# Altium PCB CSUEAF4.PcbDoc (part 1 of 2)
Units mm, origin at the board's own origin, x right, y up, seen from the top; angles counter-clockwise.
Board outline 100.25 x 100.25 mm, 2 copper layers (Top Layer, Bottom Layer); 84 components, 107 nets, 440 pads, 218 vias.
Unrouted connection lines stored in the file: 65.
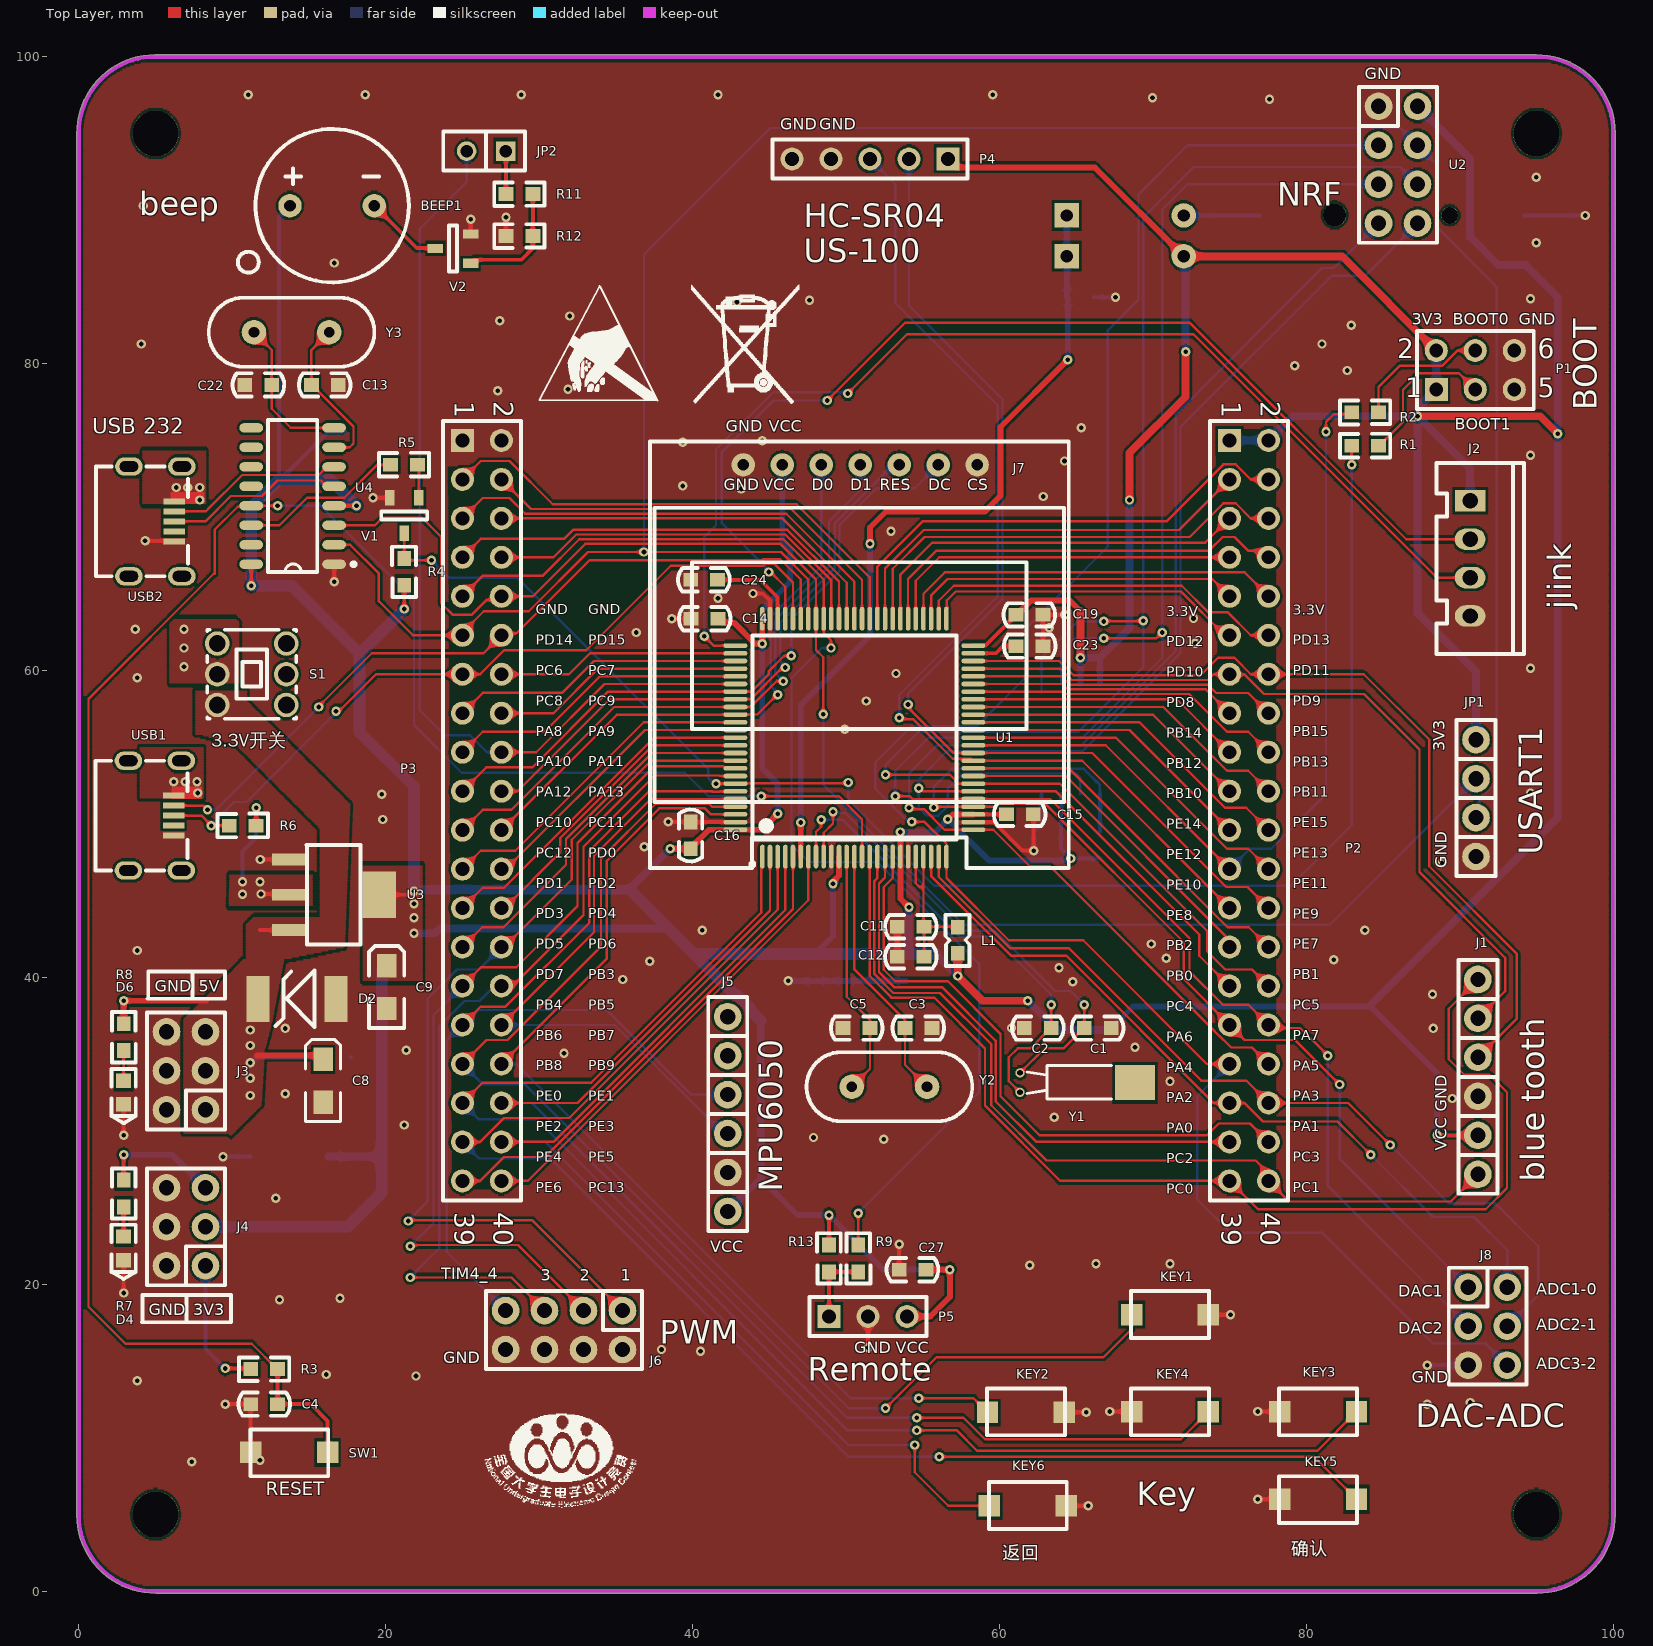
[diagram p0: Top Layer view]
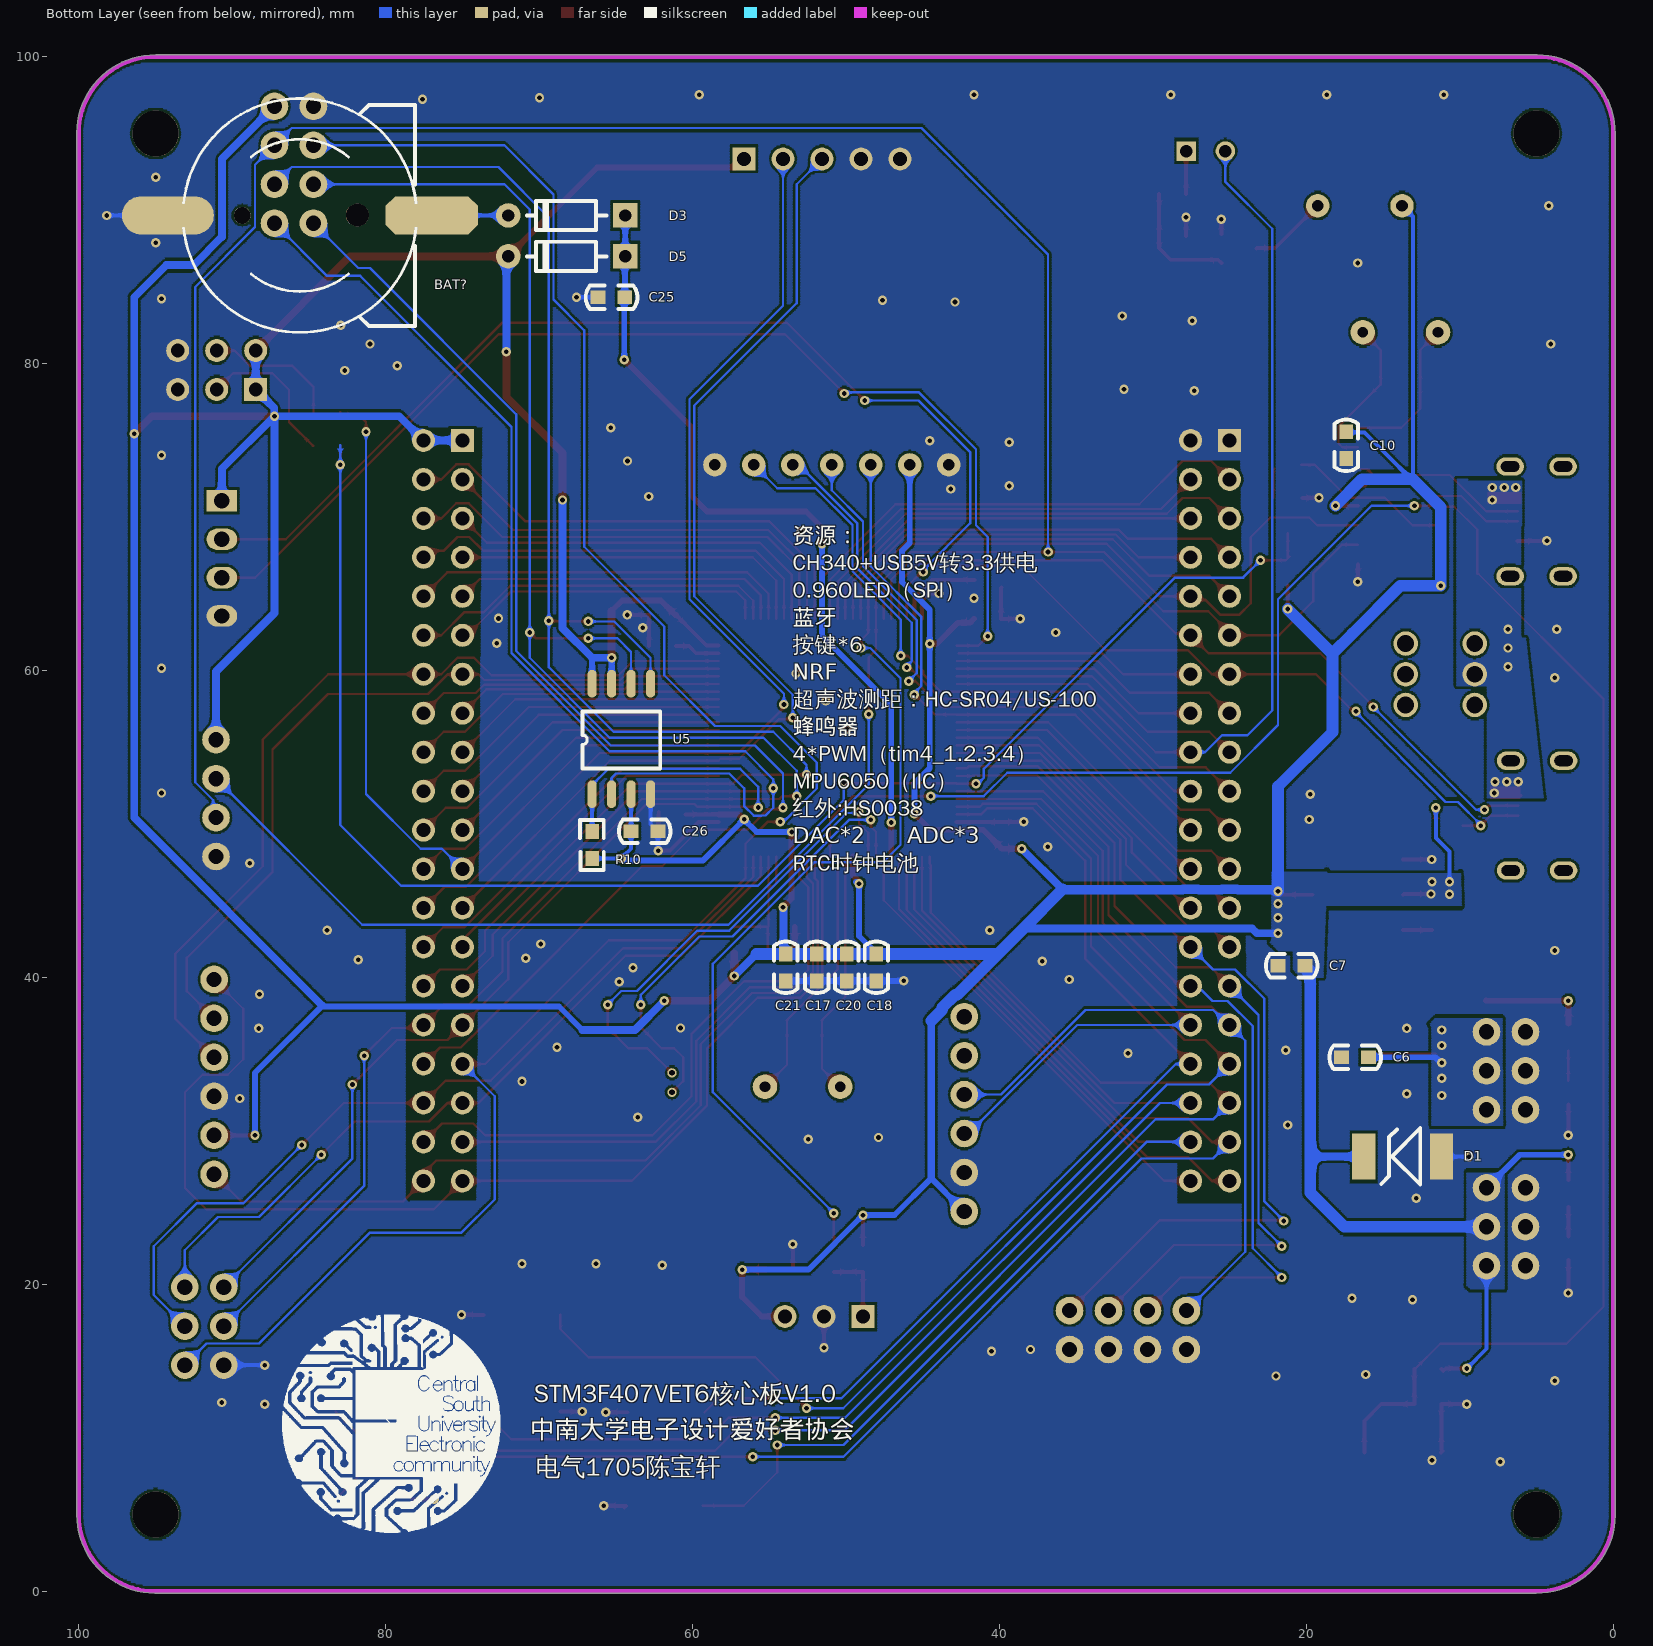
[diagram p1: Bottom Layer view, seen from below]
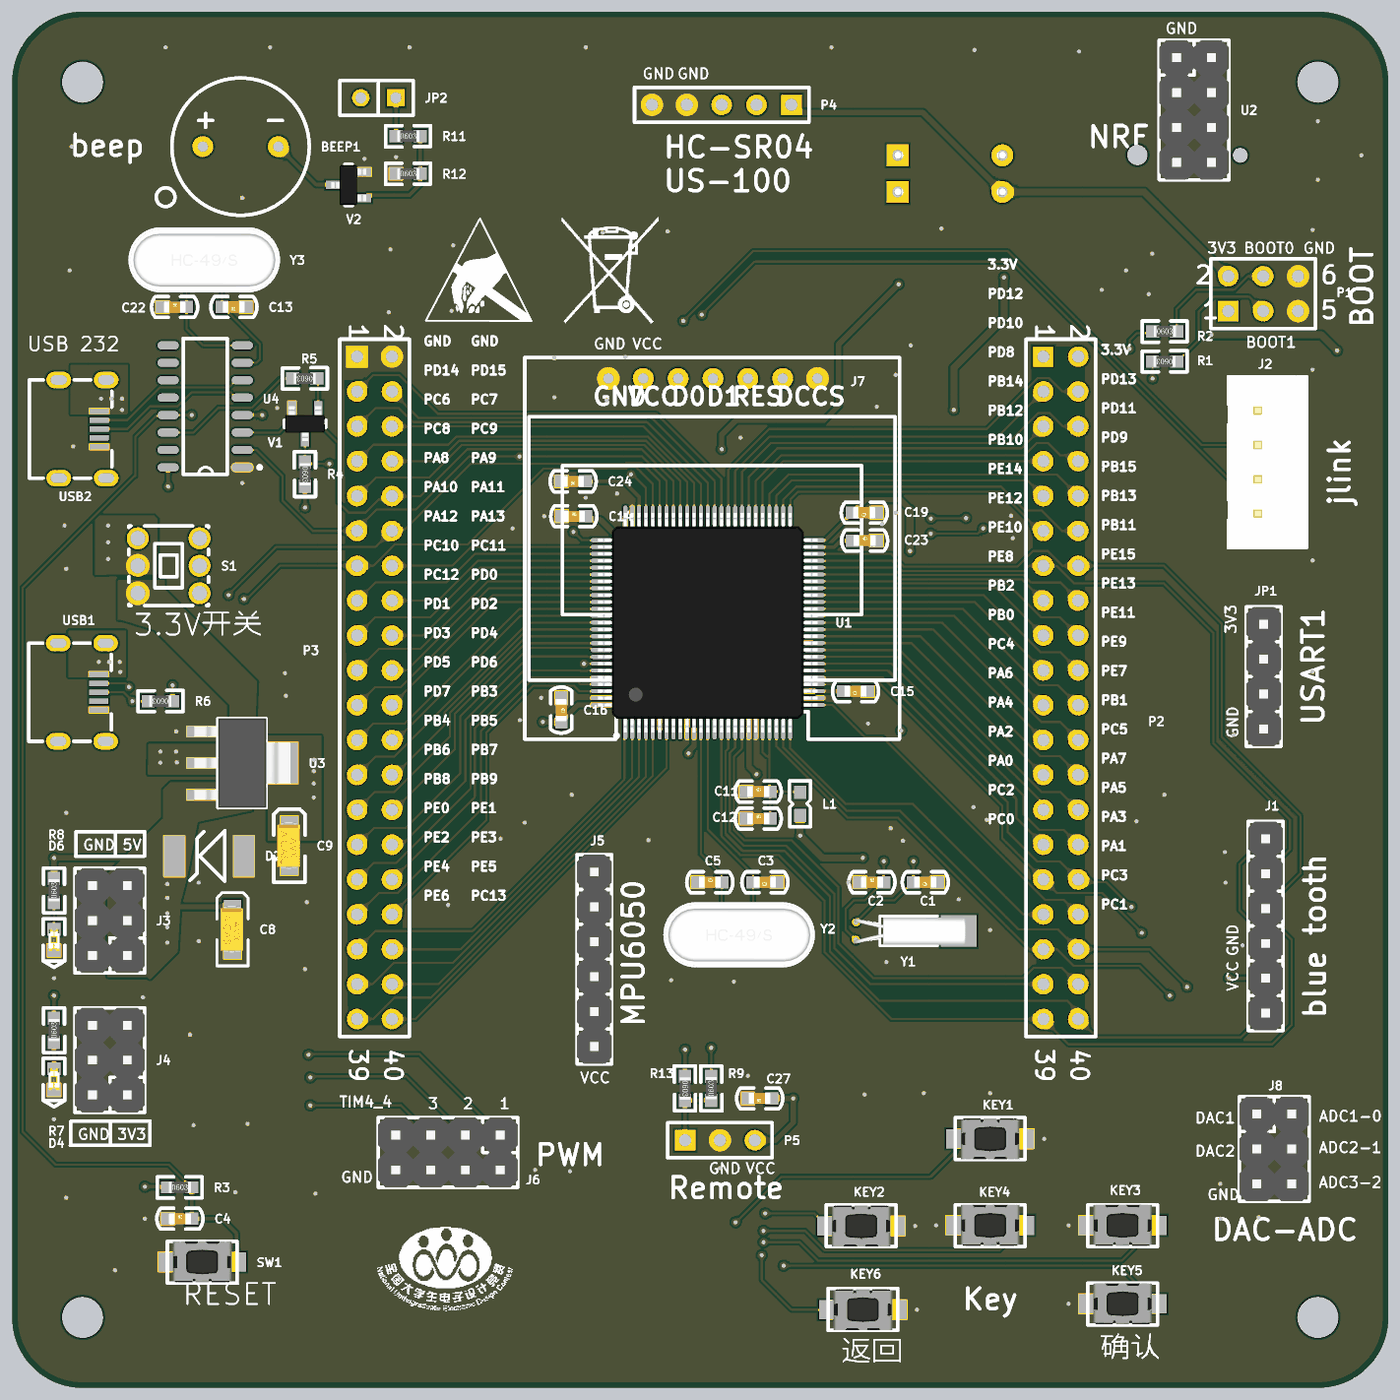
[diagram p3: 3D render of the assembled board from above, using the file's embedded part models]
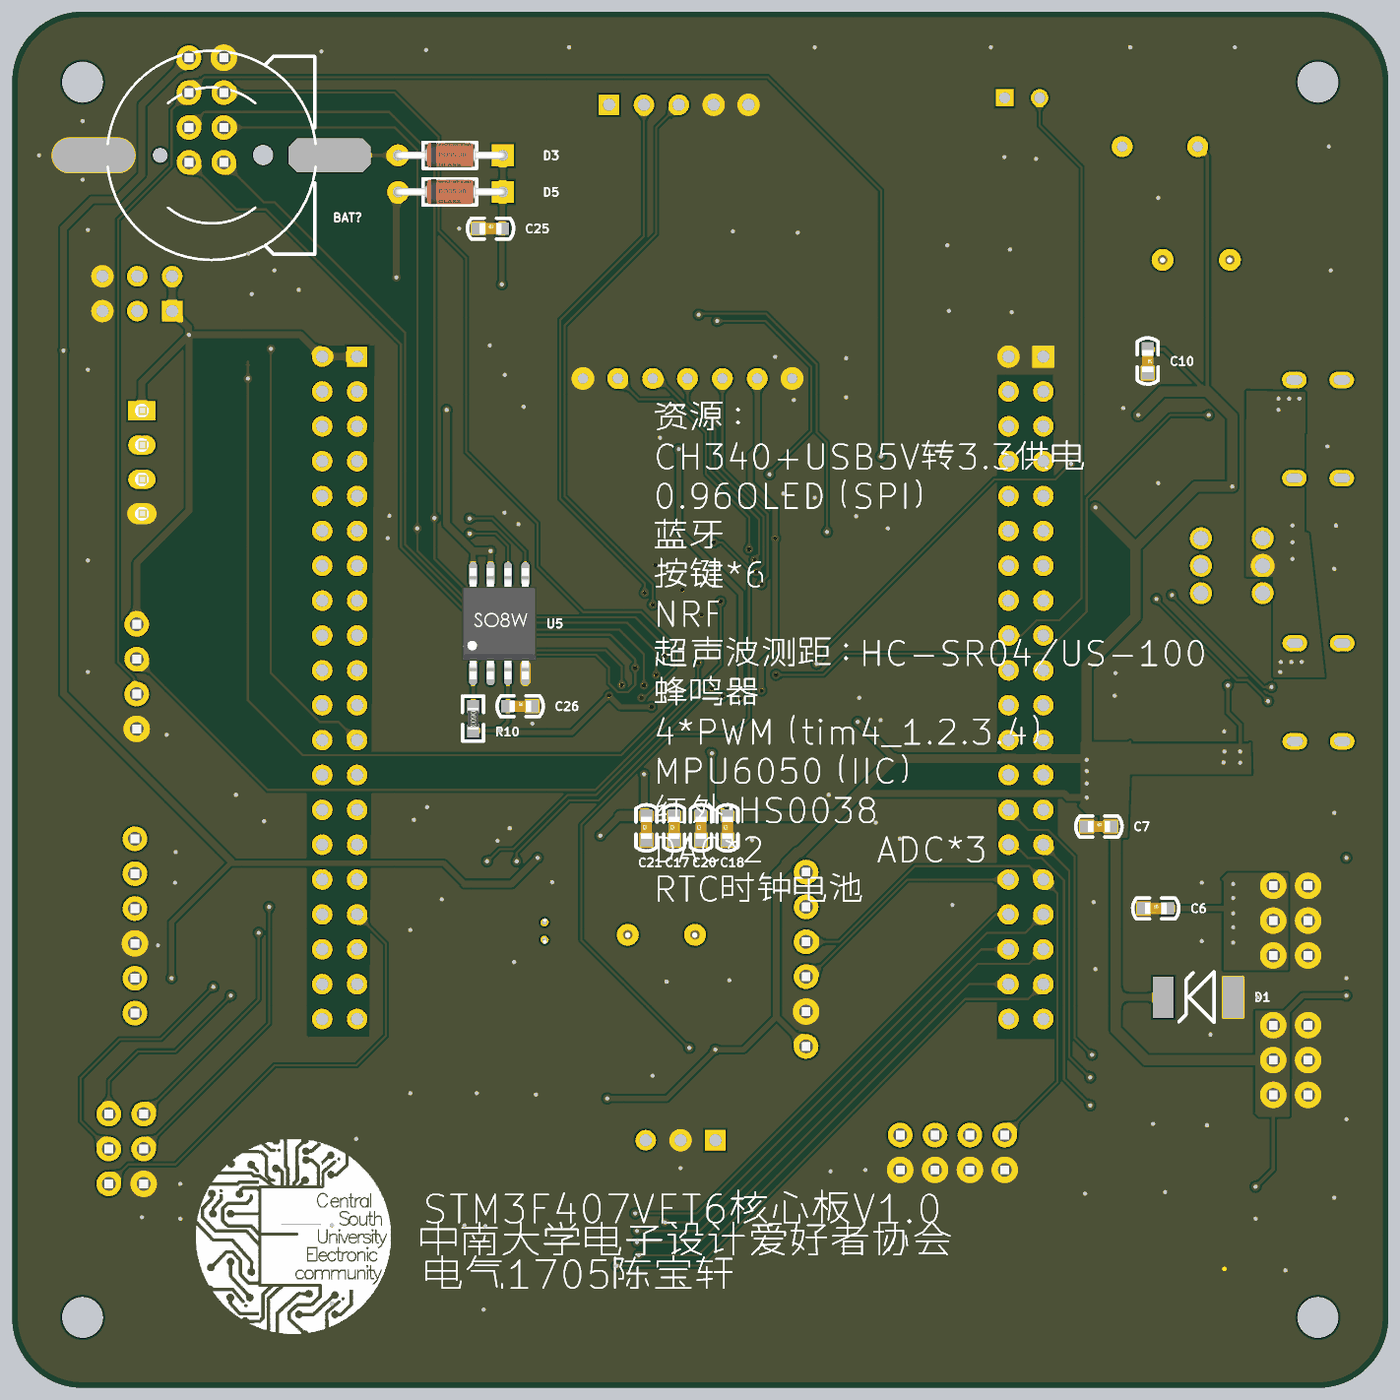
[diagram p4: 3D render of the assembled board from below, using the file's embedded part models]

## Layer stack, top to bottom
Top Solder: solder mask 0.0102, Solder Resist, Dk 3.5
Top Layer: signal copper 0.0356
Dielectric 1: dielectric 0.32, FR-4, Dk 4.8
Bottom Layer: signal copper 0.0356
Bottom Solder: solder mask 0.0102, Solder Resist, Dk 3.5

## Board outline
-0.127,4.952 cw(c0,4.953) -0.125,4.976 cw(c0,5) -0.127,5 -0.127,94.996 cw(c4.978,95.022) 4.952,100.127 cw(c4.953,100) 4.977,100.125 cw(c5,100) 5,100.127 94.996,100.127 cw(c95.022,95.022) 100.127,95.048 cw(c100,95.047) 100.127,95.047 cw(c100,95.047) 100.125,95.024 cw(c100,95) 100.127,95 100.127,5.004 ccw(c95.022,4.978) 100.127,5.005 100.127,5.004 cw(c95.022,4.978) 100.127,4.978 cw(c95.022,4.978) 95.048,-0.127 cw(c95.047,0) 95.024,-0.125 cw(c95,0) 95,-0.127 5,-0.127 5.005,-0.127 ccw(c5.004,0) 5.006,-0.127 5.005,-0.127 cw(c4.978,4.978)

## Design rules (kind name [scope] priority, off if disabled: settings)
Clearance ALL [All] p1: gap=0.152 ignorepadtopadclearanceinfootprint=FALSE
Clearance VIA-POLY [isvia vs inpolygon] p2: gap=0.152 ignorepadtopadclearanceinfootprint=FALSE
Clearance POLY [inpolygon] p3: gap=0.254 ignorepadtopadclearanceinfootprint=FALSE
PolygonConnect [InNetClass('POW')] p1: connectstyle=Direct reliefconductorwidth=0.457 reliefentries=4 polygonreliefangle="90 Angle" airgapwidth=0.254
RoutingVias [All] p1: holewidth=0.305 width=0.61 viastyle="Through Hole" minholewidth=0.305 minwidth=0.61 maxholewidth=0.305 maxwidth=0.61
SilkToSilkClearance [All] p1: silktosilkclearance=0.051
SilkToSolderMaskClearance [IsPad] p1: minsilkscreentomaskgap=0.051 clearancetoexposedcopper=TRUE
SolderMaskExpansion [All] p1: expansion=0.064
Width POW [InNetClass('POW')] p1: maxlimit=1.524 minlimit=0.381 preferedwidth=0.381
Width [All] p2: maxlimit=0.152 minlimit=0.152 preferedwidth=0.152
28 further rules are at their usual default settings.

## Classes and differential pairs
net class VCC: 3V3 5V VBAT VUSB
net class POW: 3V3 5V GND VBAT VUSB

## Components (designator, comment, footprint, x,y, rotation, side; value= is the part's Value field where it differs from the comment)
BAT? "BATT" BATM 85.598,89.662 r90 bottom
BEEP1 "蜂鸣器" 蜂鸣器0905 16.51,90.297 r0 top
C1 "15pF" C0603 67.285,36.703 r180 top value=22pF
C2 "15pF" C0603 61.62,36.703 r0 top value=22pF
C3 "22pF" C0603 55.601,36.703 r180 top
C4 "104" C0603 11.201,12.192 r0 top value=22pF
C5 "22pF" C0603 49.809,36.703 r0 top
C6 "电容104" C0603 17.702,34.798 r180 bottom value=22pF
C7 "电容104" C0603 21.844,40.767 r180 bottom value=22pF
C8 "电解电容106" 3216-ce 15.924,34.671 r90 top value=100pF
C9 "钽电容106" 3216-ce 20.066,40.767 r90 top value=100pF
C10 "104" C0603 17.399,75.565 r270 bottom value=22pF
C11 "106" C0603 53.34,43.307 r0 top value=22pF
C12 "106" C0603 53.34,41.345 r0 top value=22pF
C13 "22pF" C0603 16.912,78.613 r180 top
C14 "104" C0603 39.903,63.373 r0 top value=22pF
C15 "104" C0603 62.205,50.626 r180 top value=22pF
C16 "104" C0603 39.872,50.14 r270 top value=22pF
C17 "电容" C0603 51.905,39.776 r90 bottom value=22pF
C18 "104" C0603 48.017,39.776 r90 bottom value=22pF
C19 "104" C0603 62.84,63.627 r180 top value=22pF
C20 "104" C0603 49.953,39.776 r90 bottom value=22pF
C21 "104" C0603 53.919,39.776 r90 bottom value=22pF
C22 "22pF" C0603 10.816,78.613 r0 top
C23 "225" C0603 61.087,61.595 r0 top value=22pF
C24 "225" C0603 41.631,65.913 r180 top value=22pF
C25 "104" C0603 66.167,84.328 r180 bottom value=22pF
C26 "104" C0603 64.008,49.53 r180 bottom value=22pF
C27 "104" C0603 55.22,20.955 r180 top value=22pF
D1 "SMBJ3.3A" SMBJ 13.589,28.321 r0 bottom
D2 "SMBJ5.0A" SMBJ 14.351,38.608 r180 top
D3 "1N4148" DO-35 68.199,89.662 r180 bottom
D4 "LED" "LED 0603G" 2.921,22.344 r90 top
D5 "1N4148" DO-35 68.199,86.995 r180 bottom
D6 "LED" "LED 0603G" 2.921,32.504 r90 top
J1 "SIP-6" 2.54排针1X6 91.186,34.79 r90 top
J2 "SIP-4" 2.54XH接插件4P 90.678,71.057 r270 top
J3 "PIN-6" 2.54排针2X3 8.255,31.369 r90 top
J4 "PIN-6" 2.54排针2X3 8.255,21.209 r90 top
J5 "MPU6050" 2.54排针1X6 42.291,29.825 r270 top
J6 "TIM4_1234" 2.54排针2X4#1 35.433,18.288 r180 top
J7 "0.96OLED" "OLED 0.96-SPI _无定位孔" 43.307,73.406 r0 top
J8 "DAC_ADC" 2.54排针2X3 90.551,19.812 r270 top
JP1 "SIP-4" 2.54排针1X4 91.059,47.879 r270 top
JP2 "JX2" SIP2 27.813,93.853 r180 top
KEY1 "SW" 按键微动开关2 71.12,18.034 r0 top
KEY2 "SW" 按键微动开关2 61.722,11.684 r0 top
KEY3 "SW" 按键微动开关2 80.772,11.684 r180 top
KEY4 "SW" 按键微动开关2 71.12,11.684 r180 top
KEY5 "SW" 按键微动开关2 80.772,5.969 r180 top
KEY6 "SW" 按键微动开关2 61.849,5.588 r0 top
L1 "10uH" L0603 57.277,42.559 r270 top
P1 "Header 3X2" HDR2X3 88.475,78.315 r0 top
P2 "Header 20X2" HDR2X20 75,75 r270 top
P3 "Header 20X2" HDR2X20 25,75 r270 top
P4 "HC-SR04/US-100" HDR1X5 56.642,93.345 r180 top
P5 "HS0038" HDR1X3 48.895,17.907 r0 top
R1 "10K" R0603 84.709,74.646 r180 top value=150R
R2 "10K" R0603 82.956,76.835 r0 top value=150R
R3 "10K" R0603 11.201,14.478 r0 top value=150R
R4 "10K" R0603 21.209,67.31 r270 top value=150R
R5 "4.7K" R0603 22.073,73.406 r180 top value=150R
R6 "1K" R0603 11.557,49.896 r180 top value=150R
R7 "330" R0603 2.921,25.044 r90 top value=150R
R8 "1K" R0603 2.921,35.23 r90 top value=150R
R9 "1K" R0603 50.8,20.812 r90 top value=150R
R10 "10K" R0603 66.548,49.505 r270 bottom value=150R
R11 "4.7K" R0603 27.838,91.059 r0 top value=150R
R12 "10K" R0603 27.838,88.326 r0 top value=150R
R13 "1K" R0603 48.895,22.565 r270 top value=150R
S1 "SWITCH-6" 自锁开关 11.237,59.76 r270 top
SW1 "SW" 按键微动开关2 13.716,9.017 r180 top
U1 "STM32F407VET6" LQFP100 50.546,55.626 r90 top
U2 "NRF24L01" 2.54排针2X4#2 84.709,96.774 r270 top